# KiCad board V1.1_XT30_version.kicad_pcb (continued)
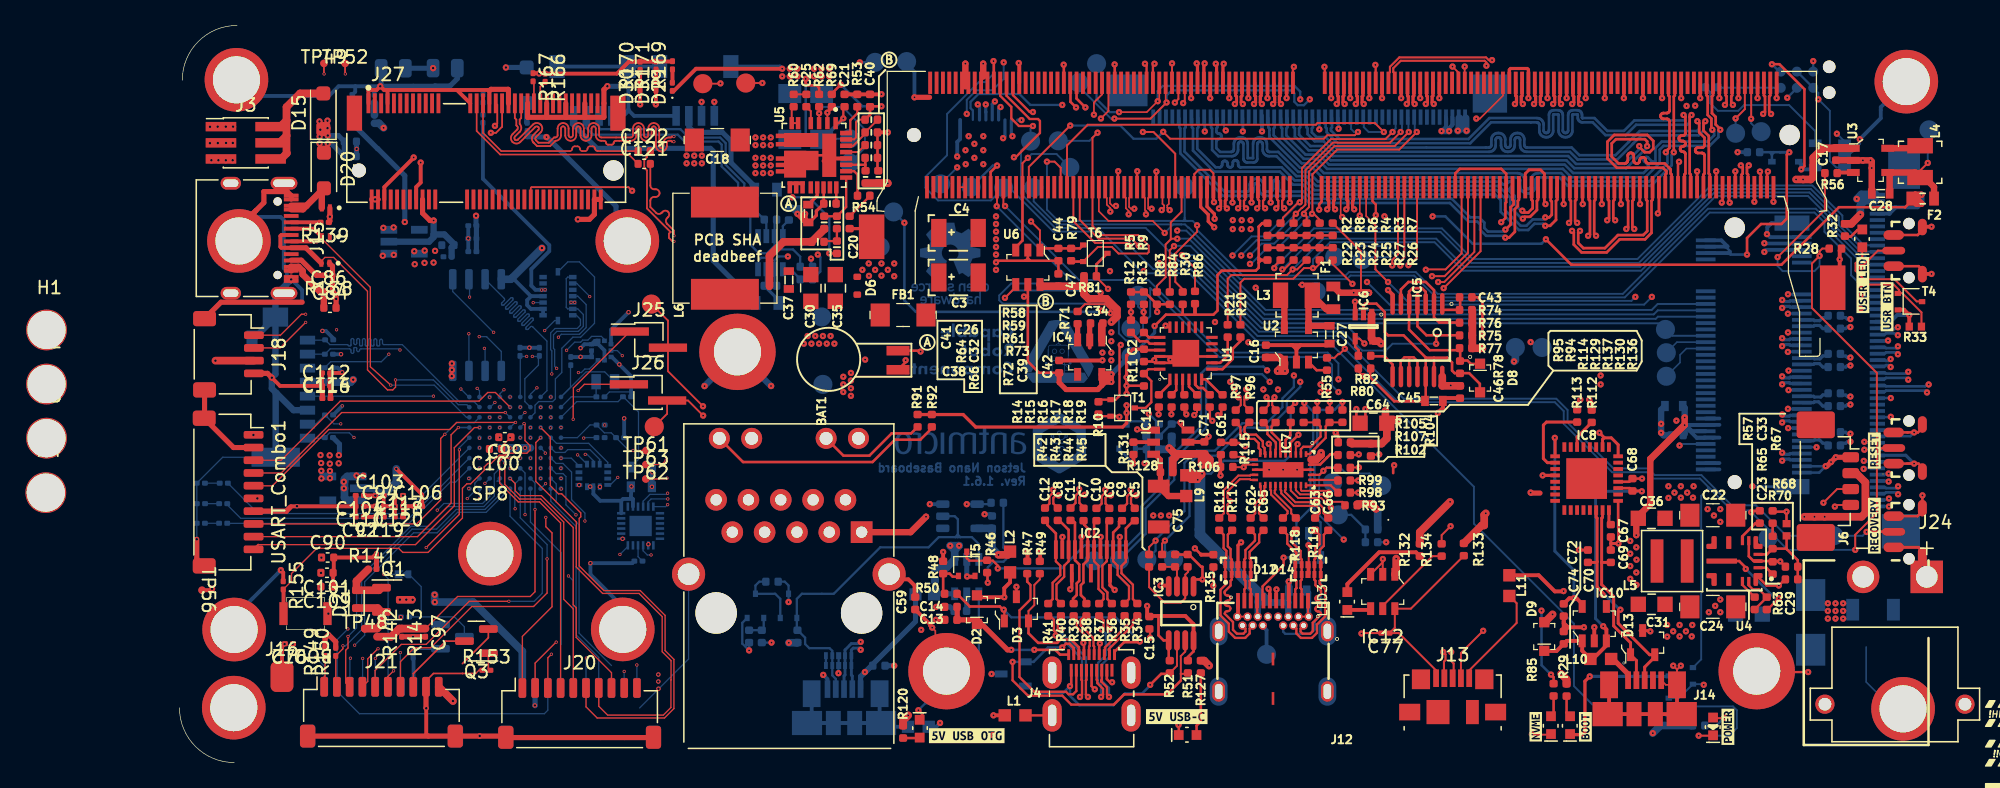
[diagram p0: board, top side]
## Footprints (pads in the part's own frame, mm; a bottom-side part is the same pattern mirrored in y, then rotated) (continued)
SM04B-SRSS-TB-LF-SN
  rect 0.6x1.55 smd: 1(-1.5,0) 2(-0.5,0) 3(0.5,0) 4(1.5,0)
  rect 1.2x1.8 smd: S1(-2.8,-3.875) S2(2.8,-3.875)
SOD-323
  rect 0.8x0.8 smd: A(1.125,0) C(-1.125,0)
SOD-323#2
  rect 0.59x0.45 smd: A(1.055,0) C(-1.055,0)
SOD-523_NP
  rrect 0.5x0.6 smd: 1(-0.701,0) 2(0.699,0)
SOIC-8_5.23x5.23mm_P1.27mm
  rrect 1.6x0.6 smd: 1(-3.6,1.905) 2(-3.6,0.635) 3(-3.6,-0.635) 4(-3.6,-1.905) 5(3.6,-1.905) 6(3.6,-0.635) 7(3.6,0.635) 8(3.6,1.905)
SON-15
  rect 0.3x1.45 smd: 1(-2.75,-0.925) 2(-2.25,-0.925) 3(-1.75,-0.925) 4(-1.25,-0.925) 5(-0.75,-0.925) 6(-0.25,-0.925) 7(0.25,-0.925) 8(0.75,-0.925) 9(1.25,-0.925) 10(1.75,-0.925) 11(2.25,-0.925) 12(2.75,-0.925) 13(1.5,0.925) 14(0,0.925) 15(-1.5,0.925)
SOT23-5
  rect 1x0.6 smd: 1(-1.15,0.95) 2(-1.15,0) 3(-1.15,-0.95) 4(1.15,-0.95) 5(1.15,0.95)
SOT-23
  rrect 1.475x0.6 smd: 1(-0.938,0.95) 2(-0.938,-0.95) 3(0.938,0)
SOT-23-5
  rect 0.55x1 smd: 1(-0.95,-1.35) 2(0,-1.35) 3(0.95,-1.35) 4(0.95,1.35) 5(-0.95,1.35)
SOT-23-6
  rect 0.55x1 smd: 1(-0.95,-1.35) 2(0,-1.35) 3(0.95,-1.35) 4(0.95,1.35) 5(0,1.35) 6(-0.95,1.35)
SOT-23-8
  rect 0.45x1.1 smd: 1(-0.975,-1.3) 2(-0.325,-1.3) 3(0.325,-1.3) 4(0.975,-1.3) 5(0.975,1.3) 6(0.325,1.3) 7(-0.325,1.3) 8(-0.975,1.3)
SOT-23s
  rect 1x0.55 smd: 1(-0.95,0.95) 2(-0.95,-0.95) 3(0.95,0)
SOT-753
  rrect 0.6x1.05 smd: 1(-0.951,-1.35) 2(0,-1.35) 3(0.949,-1.35) 4(0.949,1.351) 5(-0.951,1.351)
STM32H743VIHBGA100C80P10X10_800X800X110N
  round 0.37 smd: A1(-3.6,3.6) A2(-2.8,3.6) A3(-2,3.6) A4(-1.2,3.6) A5(-0.4,3.6) A6(0.4,3.6) A7(1.2,3.6) A8(2,3.6) A9(2.8,3.6) A10(3.6,3.6) B1(-3.6,2.8) B2(-2.8,2.8) B3(-2,2.8) B4(-1.2,2.8) B5(-0.4,2.8) B6(0.4,2.8) B7(1.2,2.8) B8(2,2.8) B9(2.8,2.8) B10(3.6,2.8) C1(-3.6,2) C2(-2.8,2) C3(-2,2) C4(-1.2,2) C5(-0.4,2) C6(0.4,2) C7(1.2,2) C8(2,2) C9(2.8,2) C10(3.6,2) D1(-3.6,1.2) D2(-2.8,1.2) D3(-2,1.2) D4(-1.2,1.2) D5(-0.4,1.2) D6(0.4,1.2) D7(1.2,1.2) D8(2,1.2) D9(2.8,1.2) D10(3.6,1.2) E1(-3.6,0.4) E2(-2.8,0.4) E3(-2,0.4) E4(-1.2,0.4) E5(-0.4,0.4) E6(0.4,0.4) E7(1.2,0.4) E8(2,0.4) E9(2.8,0.4) E10(3.6,0.4) F1(-3.6,-0.4) F2(-2.8,-0.4) F3(-2,-0.4) F4(-1.2,-0.4) F5(-0.4,-0.4) F6(0.4,-0.4) F7(1.2,-0.4) F8(2,-0.4) F9(2.8,-0.4) F10(3.6,-0.4) G1(-3.6,-1.2) G2(-2.8,-1.2) G3(-2,-1.2) G4(-1.2,-1.2) G5(-0.4,-1.2) G6(0.4,-1.2) G7(1.2,-1.2) G8(2,-1.2) G9(2.8,-1.2) G10(3.6,-1.2) H1(-3.6,-2) H2(-2.8,-2) H3(-2,-2) H4(-1.2,-2) H5(-0.4,-2) H6(0.4,-2) H7(1.2,-2) H8(2,-2) H9(2.8,-2) H10(3.6,-2) J1(-3.6,-2.8) J2(-2.8,-2.8) J3(-2,-2.8) J4(-1.2,-2.8) J5(-0.4,-2.8) J6(0.4,-2.8) J7(1.2,-2.8) J8(2,-2.8) J9(2.8,-2.8) J10(3.6,-2.8) K1(-3.6,-3.6) K2(-2.8,-3.6) K3(-2,-3.6) K4(-1.2,-3.6) K5(-0.4,-3.6) K6(0.4,-3.6) K7(1.2,-3.6) K8(2,-3.6) K9(2.8,-3.6) K10(3.6,-3.6)
TC2030
  round 0.991 hole 0.991 unplated: (2.54,-1.014) (2.54,1.014)
  round 0.787 smd: 1(-1.265,-0.638) 2(-1.265,0.638) 3(0,-0.638) 4(0,0.638) 5(1.285,-0.638) 6(1.285,0.638)
TE_2199119-4
  round 1.1 hole 1.1 unplated: (-10,0)
  round 1.6 hole 1.6 unplated: (10,0)
  rect 0.3x1.55 smd: 1(-9.25,5.275) 2(-9,-2.275) 3(-8.75,5.275) 4(-8.5,-2.275) 5(-8.25,5.275) 6(-8,-2.275) 7(-7.75,5.275) 8(-7.5,-2.275) 9(-7.25,5.275) 10(-7,-2.275) 11(-6.75,5.275) 12(-6.5,-2.275) 13(-6.25,5.275) 14(-6,-2.275) 15(-5.75,5.275) 16(-5.5,-2.275) 17(-5.25,5.275) 18(-5,-2.275) 19(-4.75,5.275) 20(-4.5,-2.275) 21(-4.25,5.275) 22(-4,-2.275) 23(-3.75,5.275) 32(-1.5,-2.275) 33(-1.25,5.275) 34(-1,-2.275) 35(-0.75,5.275) 36(-0.5,-2.275) 37(-0.25,5.275) 38(0,-2.275) 39(0.25,5.275) 40(0.5,-2.275) 41(0.75,5.275) 42(1,-2.275) 43(1.25,5.275) 44(1.5,-2.275) 45(1.75,5.275) 46(2,-2.275) 47(2.25,5.275) 48(2.5,-2.275) 49(2.75,5.275) 50(3,-2.275) 51(3.25,5.275) 52(3.5,-2.275) 53(3.75,5.275) 54(4,-2.275) 55(4.25,5.275) 56(4.5,-2.275) 57(4.75,5.275) 58(5,-2.275) 59(5.25,5.275) 60(5.5,-2.275) 61(5.75,5.275) 62(6,-2.275) 63(6.25,5.275) 64(6.5,-2.275) 65(6.75,5.275) 66(7,-2.275) 67(7.25,5.275) 68(7.5,-2.275) 69(7.75,5.275) 70(8,-2.275) 71(8.25,5.275) 72(8.5,-2.275) 73(8.75,5.275) 74(9,-2.275) 75(9.25,5.275)
  rect 1.2x2.75 smd: SH1(-10.35,4.5) SH2(10.35,4.5)
TF-SMD_TF-021B-H265
  rect 0.7x1.2 smd: 1(-4.08,-2.92) 2(-2.98,-2.92) 3(-1.88,-2.92) 4(-0.78,-2.92) 5(0.32,-2.92) 6(1.42,-2.92) 7(2.52,-2.92) 8(3.62,-2.92)
  rect 1.5x2 smd: 9(-5.893,-0.4)
  rect 1.204x0.868 smd: 9(-4.244,1.439)
  rect 1.5x3.8 smd: 9(5.12,-0.42)
TL3340AF160QG
  round 0.9 hole 0.9 unplated: (0,2.125) (0,-2.125)
  oval 1.6x0.75 smd: 1(-1.2,-1.225) 3(-1.2,1.225)
  oval 1.8x0.6 smd: 2(-1.2,0)
  oval 0.7x1.3 smd: SH1(1.05,1.85) SH2(1.05,-1.85)
TP-R-1.5
  round 1.5 smd: 1(0,0)
TPD4E05U06_PASS
  rect 0.3x0.55 smd: 1(-1,0.385) 1(-1,-0.385) 2(-0.5,0.385) 2(-0.5,-0.385) 4(0.5,0.385) 4(0.5,-0.385) 5(1,0.385) 5(1,-0.385)
  rect 0.4x0.55 smd: 3(0,-0.385) 8(0,0.385)
TSSOP-14
  oval 1.7x0.35 smd: 1(-2.85,1.95) 2(-2.85,1.3) 3(-2.85,0.65) 4(-2.85,0) 5(-2.85,-0.65) 6(-2.85,-1.3) 7(-2.85,-1.95) 8(2.85,-1.95) 9(2.85,-1.3) 10(2.85,-0.65) 11(2.85,0) 12(2.85,0.65) 13(2.85,1.3) 14(2.85,1.95)
USB_C_Small
  round 0.65 hole 0.65 unplated: (-2.89,2.605) (2.89,2.605)
  rect 0.3x1.15 smd: A1(-3.35,3.67) A4(-2.55,3.67) A5(-1.25,3.67) A6(-0.25,3.67) A7(0.25,3.67) A8(1.25,3.67) A9(2.55,3.67) A12(3.35,3.67) B1(3.05,3.67) B4(2.25,3.67) B5(1.75,3.67) B6(0.75,3.67) B7(-0.75,3.67) B8(-1.75,3.67) B9(-2.25,3.67) B12(-3.05,3.67)
  oval 1x2.1 hole 0.6x1.7: S1(-4.32,3.105) S1(4.32,3.105)
  oval 1x1.6 hole 0.6x1.2: S1(-4.32,-1.075) S1(4.32,-1.075)
USB_Micro-B_Molex_47346-0001
  rect 0.45x1.38 smd: 1(-1.3,1.46) 2(-0.65,1.46) 3(0,1.46) 4(0.65,1.46) 5(1.3,1.46)
  rect 1.65x1.3 smd: 6(-3.375,-1.2) 6(3.375,-1.2)
  rect 1.425x1.55 smd: 6(-2.487,1.375) 6(2.487,1.375)
  rect 1.8x1.9 smd: 6(-1.15,-1.2)
  rect 1x1.9 smd: 6(1.55,-1.2)
VQFN-14-HR
  custom 0.71x1.01 smd: 1(-1.8,1.2) 5(-1.8,-1.2)
  rrect 0.7x0.25 smd: 2(-1.85,0.525) 4(-1.85,-0.525)
  rrect 0.7x0.3 smd: 3(-1.85,0)
  rrect 0.25x0.7 smd: 6(-1.125,-1.6) 7(-0.625,-1.6) 13(-0.625,1.6) 14(-1.125,1.6)
  rrect 0.4x1 smd: 8(0.45,-1.45) 12(0.45,1.45)
  custom 0.81x1.01 smd: 9(1.55,-1.15) 11(1.55,1.15)
  rrect 2.4x0.4 smd: 10(1,0)
WE_68715014022
  rect 0.3x1.2 smd: 1(-12.89,-0.66) 2(-12.39,-0.66) 3(-11.89,-0.66) 4(-11.39,-0.66) 5(-10.89,-0.66) 6(-10.39,-0.66) 7(-9.89,-0.66) 8(-9.39,-0.66) 9(-8.89,-0.66) 10(-8.39,-0.66) 11(-7.89,-0.66) 12(-7.39,-0.66) 13(-6.89,-0.66) 14(-6.39,-0.66) 15(-5.89,-0.66) 16(-5.39,-0.66) 17(-4.89,-0.66) 18(-4.39,-0.66) 19(-3.89,-0.66) 20(-3.39,-0.66) 21(-2.89,-0.66) 22(-2.39,-0.66) 23(-1.89,-0.66) 24(-1.39,-0.66) 25(-0.89,-0.66) 26(-0.39,-0.66) 27(0.11,-0.66) 28(0.61,-0.66) 29(1.11,-0.66) 30(1.61,-0.66) 31(2.11,-0.66) 32(2.61,-0.66) 33(3.11,-0.66) 34(3.61,-0.66) 35(4.11,-0.66) 36(4.61,-0.66) 37(5.11,-0.66) 38(5.61,-0.66) 39(6.11,-0.66) 40(6.61,-0.66) 41(7.11,-0.66) 42(7.61,-0.66) 43(8.11,-0.66) 44(8.61,-0.66) 45(9.11,-0.66) 46(9.61,-0.66) 47(10.11,-0.66) 48(10.61,-0.66) 49(11.11,-0.66) 50(11.61,-0.66)
  rect 2.7x3 smd: ~(-14.84,1.19)
  rect 3x2.5 smd: ~(13.56,1.44)
WE_68715014522_ONE-SIDE
  rect 0.3x1.2 smd: 1(-12.25,-0.6) 2(-11.75,-0.6) 3(-11.25,-0.6) 4(-10.75,-0.6) 5(-10.25,-0.6) 6(-9.75,-0.6) 7(-9.25,-0.6) 8(-8.75,-0.6) 9(-8.25,-0.6) 10(-7.75,-0.6) 11(-7.25,-0.6) 12(-6.75,-0.6) 13(-6.25,-0.6) 14(-5.75,-0.6) 15(-5.25,-0.6) 16(-4.75,-0.6) 17(-4.25,-0.6) 18(-3.75,-0.6) 19(-3.25,-0.6) 20(-2.75,-0.6) 21(-2.25,-0.6) 22(-1.75,-0.6) 23(-1.25,-0.6) 24(-0.75,-0.6) 25(-0.25,-0.6) 26(0.25,-0.6) 27(0.75,-0.6) 28(1.25,-0.6) 29(1.75,-0.6) 30(2.25,-0.6) 31(2.75,-0.6) 32(3.25,-0.6) 33(3.75,-0.6) 34(4.25,-0.6) 35(4.75,-0.6) 36(5.25,-0.6) 37(5.75,-0.6) 38(6.25,-0.6) 39(6.75,-0.6) 40(7.25,-0.6) 41(7.75,-0.6) 42(8.25,-0.6) 43(8.75,-0.6) 44(9.25,-0.6) 45(9.75,-0.6) 46(10.25,-0.6) 47(10.75,-0.6) 48(11.25,-0.6) 49(11.75,-0.6) 50(12.25,-0.6)
  rect 3x2.5 smd: ~(-14.2,-2.7)
  rect 2.7x3 smd: ~(14.2,-2.45)
WE_632723300011
  rect 0.2x1 smd: (0,1.055) (0,-2.045)
  rect 0.3x1.2 smd: A1(-2.75,5.635) A2(-2.25,5.635) A3(-1.75,5.635) A4(-1.25,5.635) A5(-0.75,5.635) A6(-0.25,5.635) A7(0.25,5.635) A8(0.75,5.635) A9(1.25,5.635) A10(1.75,5.635) A11(2.25,5.635) A12(2.75,5.635)
  round 0.65 hole 0.4: B1(2.8,4.385) B2(2.4,3.685) B3(1.6,3.685) B4(1.2,4.385) B5(0.8,3.685) B6(0.4,4.385) B7(-0.4,4.385) B8(-0.8,3.685) B9(-1.2,4.385) B10(-1.6,3.685) B11(-2.4,3.685) B12(-2.8,4.385) Shell(-2,4.385) Shell(2,4.385)
  oval 1x1.6 hole 0.6x1.2: Shell(-4.27,3.235) Shell(-4.27,-1.495) Shell(4.27,3.235) Shell(4.27,-1.495)
  oval 1.4x2.24 smd far side: Shell(-4.27,3.235) Shell(-4.27,-1.495) Shell(4.27,3.235) Shell(4.27,-1.495)
XFL4015-122MEC
  rect 1x3.4 smd: 1(-1.185,0) 2(1.185,0)

## Nets
1V8_DBG: C72.2 IC8.1 IC10.5
1V8_SYS: C42.1 C44.2 IC4.5 R2.2 R22.2 R30.1 R46.1 R79.1 R86.2 R111.1 T6.1 TP37.1 U6.1 U6.5
3V3_FFC1: F1.2 J1.47 J1.48 R7.2
3V3_FFC2: F2.1 J2.47 J2.48 R26.2
3V3_SYS: C1.2 C2.1 C31.1 C33.1 C36.1 C48.2 C57.2 C58.2 C61.1 D1.A D5.2 F4.1 F5.1 IC3.1 IC7.8 J7.2 J7.4 J7.12 J7.14 J7.16 J7.18 J7.70 J7.72 J7.74 J27.2 J27.4 J27.72 J27.74 L5.1 R5.1 R9.1 R11.1 R44.1 R45.1 R67.1 R70.1 R83.2 R84.2 R85.2 R91.2 R92.1 R115.2 R166.1 R167.1 R169.2 R170.2 R171.2 U1.21 U4.1 U7.3
5V0_DBG: C68.2 C74.2 D9.C IC8.19 IC10.1 IC10.3 L10.2
5V0_SYS: C16.1 C17.1 C30.1 C34.1 C35.1 C37.1 C38.1 C39.2 C46.2 C47.2 C60.2 C64.2 C71.1 C76.1 D6.2 D9.A D24.2 FB1.1 IC4.1 IC5.14 IC6.1 IC6.5 IC7.30 IC9.1 IC11.1 IC12.1 J1.49 J1.50 J2.49 J2.50 J3.1 J3.3 J3.5 J6.2 J17.1 J18.3 J20.10 J21.10 L2.1 L6.2 R29.2 R31.2 R32.2 R64.1 R72.1 R74.2 R75.2 R76.1 R77.1 R81.2 R93.2 R100.2 R104.1 R105.1 R108.2 R120.2 R121.2 R122.1 R125.2 R127.2 R128.1 R132.2 R133.1 TP36.1 TP41.1 TP56.1 U2.1 U3.1 U6.6 U8.5 USART_Combo1.1 USART_Combo1.6
/NextPx4/VBUS: C84.1 C86.1 D16.2 D20.2 J15.A4 J15.A9 J15.B4 J15.B9
/Supply/3V3_EN: R57.1 U4.7
/Supply/3V3_FB: R65.2 R67.2 R68.1 R70.2 U4.4
/Supply/3V3_R_C_BOOT: C29.2 R63.2 U4.14
/Supply/3V3_SW: C29.1 L5.2 U4.10
/Supply/3V3_VCC: C23.1 U4.2
/Supply/3V3_VIN: C22.1 C24.1 FB3.2 U4.8 U4.12
/Supply/5V_BOOT: C25.1 U5.4
/Supply/5V_COMP: R54.1 U5.21
/Supply/5V_EN: R62.1 TP32.1 U5.3
/Supply/5V_FB: R72.2 R73.1 U5.22
/Supply/5V_FSW: R61.1 U5.24
/Supply/5V_ILIM: R58.1 R59.1 U5.25
/Supply/5V_MODE: R53.1 U5.27
/Supply/5V_PHASE: R60.2 U5.5 U5.6
/Supply/5V_SNS: C32.1 C38.2 R66.2
/Supply/5V_SS: C26.1 U5.19
/Supply/5V_SW: L6.1 R66.1 U5.12 U5.13 U5.14
/Supply/5V_VIN: C18.1 C19.1 C21.1 FB2.2 R62.2 TP30.1 U5.1 U5.7 U5.8
/Supply/VDD_5V_DCDC: C40.1 R58.2 R69.1 U5.26
GND: BAT1.- C1.1 C2.2 C3.2 C4.2 C13.1 C14.1 C15.1 C16.2 C17.2 C18.2 C19.2 C20.1 C21.2 C22.2 C23.2 C24.2 C26.2 C27.2 C28.2 C30.2 C31.2 C34.2 C35.2 C36.2 C37.2 C39.1 C40.2 C41.2 C42.2 C43.1 C44.1 C45.1 C46.1 C47.1 C48.1 C57.1 C58.1 C59.2 C60.1 C61.2 C64.1 C67.1 C68.1 C69.1 C70.1 C71.2 C72.1 C73.1 C74.1 C75.1 C76.2 C77.2 C78.1 C82.2 C83.2 C84.2 C86.2 C87.2 C88.2 C90.2 C91.2 C92.2 C93.2 C94.2 C95.2 C97.2 C99.1 C100.1 C101.1 C102.2 C103.2 C104.2 C105.2 C106.2 C107.2 C108.2 C109.1 C110.2 C111.2 C112.1 C113.2 C114.1 C115.2 C116.2 C117.1 C118.2 C119.1 C120.2 D3.3 D4.3 D5.1 D6.1 D7.2 D10.3 D10.8 D11.3 D12.3 D12.8 D13.3 D14.3 D14.8 D16.1 D17.1 D19.1 D29.1 H1.1 H2.1 H3.1 H4.1 IC1.2 IC2.2 IC2.5 IC2.8 IC2.11 IC3.4 IC4.2 IC5.7 IC6.3 IC7.13 IC7.28 IC7.31 IC8.4 IC8.17 IC8.20 IC8.24 IC8.26 IC9.2 IC10.2 IC11.2 IC12.2 IC12.3 J1.9 J1.12 J1.15 J1.18 J1.27 J1.30 J2.9 J2.12 J2.15 J2.18 J2.27 J2.30 J6.1 J7.1 J7.3 J7.9 J7.15 J7.21 J7.27 J7.33 J7.39 J7.45 J7.51 J7.57 J7.71 J7.73 J7.75 J7.SH1 J7.SH2 J8.4 J8.S1 J8.S2 J9.1 J9.S1 J9.S2 J10.1 J11.5 J12.A1 J12.A12 J12.B1 J12.B12 J12.Shell J13.4 J14.5 J14.S J15.A1 J15.A12 J15.B1 J15.B12 J15.S1 J16.1 J17.2 J17.MP J18.4 J18.MP J19.9 J19.MP J20.9 J20.MP J21.9 J21.MP J23.6 J23.9 J24.N J27.1 J27.7 J27.18 J27.33 J27.39 J27.45 J27.51 J27.57 J27.63 J27.69 J27.75 L1.1 L8.1 L11.1 M1.1 M1.2 M1.7 M1.8 M1.13 M1.14 M1.19 M1.20 M1.25 M1.26 M1.31 M1.32 M1.37 M1.38 M1.43 M1.44 M1.49 M1.50 M1.55 M1.56 M1.61 M1.62 M1.67 M1.68 M1.73 M1.74 M1.79 M1.80 M1.85 M1.86 M1.102 M1.107 M1.113 M1.119 M1.125 M1.129 M1.132 M1.135 M1.138 M1.141 M1.144 M1.146 M1.147 M1.152 M1.153 M1.158 M1.159 M1.164 M1.165 M1.170 M1.171 M1.176 M1.177 M1.200 M1.201 M1.217 M1.231 M1.241 M1.242 M1.243 M1.244 M1.245 M1.246 M1.247 M1.248 M1.249 M1.250 M1.261 M1.262 Q2.2 Q3.2 R10.1 R28.2 R33.2 R47.1 R48.2 R49.2 R53.2 R59.2 R61.2 R68.2 R73.2 R89.1 R101.1 R106.1 R107.1 R109.2 R124.2 R126.1 R131.2 R134.2 R135.1 R138.1 R139.1 R140.2 R141.2 R143.2 R144.1 R145.1 R146.1 R153.1 R155.1 R156.2 R157.2 R158.2 REC1.1 REC1.3 REC1.SH1 REC1.SH2 RST1.1 RST1.3 RST1.SH1 RST1.SH2 SP1.1 SP3.1 SP4.1 SP5.1 SP6.1 SP7.1 SP8.1 SP9.1 SP10.1 SP11.1 SP12.1 T1.2 T2.2 T3.2 T4.2 T5.2 T8.2 T9.2 TP1.5 TP31.1 TP38.1 TP40.1 U1.9 U1.18 U1.22 U1.23 U1.25 U2.2 U3.2 U4.3 U4.6 U4.9 U4.11 U5.9 U5.10 U5.11 U5.17 U5.23 U5.28 U6.2 U7.2 U8.3 U10.2 U11.2 U22.C2 U22.E4 U22.E5 U22.E6 U22.G1 U22.J1 U24.6 U24.7 U24.11 U25.4 U25.6 U25.7 U26.18 U26.20 U27.3 U27.5 U27.8 U27.9 U28.4 USART_Combo1.2 USART_Combo1.7 USART_Combo1.MP USR1.1 USR1.3 USR1.SH1 USR1.SH2 Y1.2
VCC_24V: D21.1 Q1.2 R142.1 TP48.1
VDD_MOD: C3.1 C4.1 FB1.2 M1.251 M1.252 M1.253 M1.254 M1.255 M1.256 M1.257 M1.258 M1.259 M1.260 TP22.1
VIN: C87.1 C88.1 D7.1 D18.2 F3.2 FB2.1 FB3.1 J19.10 Q1.3 TP39.1
#PWR_BUTTON: M1.240 TP13.1
#RECOVERY: M1.214 REC1.2 TP21.1
#RESET: M1.239 R28.1 R55.2 R56.2 R57.2 R71.2 RST1.2 T2.1 TP10.1 TP20.1
#SHUTDOWN_REQ: IC5.4 M1.233 R75.1 TP11.1
/CSI/CAM0_SCL: J1.40 R6.2 R15.1
/CSI/CAM0_SDA: J1.39 R8.2 R14.1
/CSI/CAM1_SCL: J1.42 R3.2 R17.1
/CSI/CAM1_SDA: J1.41 R4.2 R16.1
/CSI/CAM2_SCL: J2.42 R19.1 R23.2
/CSI/CAM2_SDA: J2.41 R18.1 R24.2
/CSI/CAM3_SCL: J2.40 R21.1 R25.2
/CSI/CAM3_SDA: J2.39 R20.1 R27.2
/CSI/CAM_I2C_SCL: M1.213 R9.2 R13.2 TP7.1
/CSI/CAM_I2C_SDA: M1.215 R5.2 R12.2 TP6.1
/CSI/CSI_A_CLK_N: J2.28 M1.10
/CSI/CSI_A_CLK_P: J2.29 M1.12
/CSI/CSI_A_D0_N: J2.25 M1.4
/CSI/CSI_A_D0_P: J2.26 M1.6
/CSI/CSI_A_D1_N: J2.23 M1.16
/CSI/CSI_A_D1_P: J2.24 M1.18
/CSI/CSI_B_D0_N: J2.21 M1.3
/CSI/CSI_B_D0_P: J2.22 M1.5
/CSI/CSI_B_D1_N: J2.19 M1.15
/CSI/CSI_B_D1_P: J2.20 M1.17
/CSI/CSI_C_CLK_N: J2.10 M1.52
/CSI/CSI_C_CLK_P: J2.11 M1.54
/CSI/CSI_C_D0_N: J2.7 M1.46
/CSI/CSI_C_D0_P: J2.8 M1.48
/CSI/CSI_C_D1_N: J2.5 M1.58
/CSI/CSI_C_D1_P: J2.6 M1.60
/CSI/CSI_D_D0_N: J2.3 M1.40
/CSI/CSI_D_D0_P: J2.4 M1.42
/CSI/CSI_D_D1_N: J2.1 M1.64
/CSI/CSI_D_D1_P: J2.2 M1.66
/CSI/CSI_E_CLK_N: J1.28 M1.28
/CSI/CSI_E_CLK_P: J1.29 M1.30
/CSI/CSI_E_D0_N: J1.25 M1.22
/CSI/CSI_E_D0_P: J1.26 M1.24
/CSI/CSI_E_D1_N: J1.23 M1.34
/CSI/CSI_E_D1_P: J1.24 M1.36
/CSI/CSI_F_CLK_N: M1.27
/CSI/CSI_F_CLK_P: M1.29
/CSI/CSI_F_D0_N: J1.21 M1.21
/CSI/CSI_F_D0_P: J1.22 M1.23
/CSI/CSI_F_D1_N: J1.19 M1.33
/CSI/CSI_F_D1_P: J1.20 M1.35
/CSI/CSI_G_CLK_N: J1.10 M1.76
/CSI/CSI_G_CLK_P: J1.11 M1.78
/CSI/CSI_G_D0_N: J1.7 M1.70
/CSI/CSI_G_D0_P: J1.8 M1.72
/CSI/CSI_G_D1_N: J1.5 M1.82
/CSI/CSI_G_D1_P: J1.6 M1.84
/Display/TMDS_C1_CLK_N: C12.2 IC2.12 R41.1
/Display/TMDS_C1_CLK_P: C8.2 IC2.10 R40.1
/Display/TMDS_C1_D0_N: C11.2 IC2.9 R39.1
/Display/TMDS_C1_D0_P: C7.2 IC2.7 R38.1
/Display/TMDS_C1_D1_N: C10.2 IC2.6 R37.1
/Display/TMDS_C1_D1_P: C6.2 IC2.4 R36.1
/Display/TMDS_C1_D2_N: C9.2 IC2.3 R35.1
/Display/TMDS_C1_D2_P: C5.2 IC2.1 R34.1
/Display/TMDS_CEC: M1.94 TP25.1
/Display/TMDS_CEC_IN: D3.2 J4.15 R49.1
/Display/TMDS_CLK_C_N: J4.14 R41.2
/Display/TMDS_CLK_C_P: J4.12 R40.2
/Display/TMDS_CLK_N: C12.1 M1.81
/Display/TMDS_CLK_P: C8.1 M1.83
/Display/TMDS_D0_C_N: J4.11 R39.2
/Display/TMDS_D0_C_P: J4.9 R38.2
/Display/TMDS_D0_N: C11.1 M1.75
/Display/TMDS_D0_P: C7.1 M1.77
/Display/TMDS_D1_C_N: J4.8 R37.2
/Display/TMDS_D1_C_P: J4.6 R36.2
/Display/TMDS_D1_N: C10.1 M1.69
/Display/TMDS_D1_P: C6.1 M1.71
/Display/TMDS_D2_C_N: J4.5 R35.2
/Display/TMDS_D2_C_P: J4.3 R34.2
/Display/TMDS_D2_N: C9.1 M1.63
/Display/TMDS_D2_P: C5.1 M1.65
/Display/TMDS_HPD_IN: D3.1 J4.1 R50.1
/Display/TMDS_SCL: M1.100 R42.2 TP28.1
/Display/TMDS_SCL_5V0: D4.1 IC3.7 J4.17 R51.2
/Display/TMDS_SDA: M1.98 R43.2 TP29.1
/Display/TMDS_SDA_5V0: D4.2 IC3.6 J4.18 R52.2
/ID Serial/EEPROM_PWR: D1.C IC1.4 TP1.1
/ID Serial/SN_WP: IC1.5 R1.1
/Interfaces/C_PCIE0_TX0_N: C53.1 J7.47
/Interfaces/C_PCIE0_TX0_P: C49.1 J7.49
/Interfaces/C_PCIE0_TX1_N: C54.1 J7.35
/Interfaces/C_PCIE0_TX1_P: C50.1 J7.37
/Interfaces/C_PCIE0_TX2_N: C55.1 J7.23
/Interfaces/C_PCIE0_TX2_P: C51.1 J7.25
/Interfaces/C_PCIE0_TX3_N: C56.1 J7.11
/Interfaces/C_PCIE0_TX3_P: C52.1 J7.13
/Interfaces/CANH: J8.2 R90.2 U7.7
/Interfaces/CANL: J8.3 R90.1 U7.6
/NextPx4/AUX_PC0: R152.2 U22.F1
/NextPx4/AUX_PC13: J20.3 U22.A2
/NextPx4/AUX_PD4: J20.1 U22.D7
/NextPx4/AUX_PH1: J20.2 U22.D1
/NextPx4/BAT_I: J19.7 U22.K4
/NextPx4/BAT_V: C97.1 R142.2 R143.1 U22.J4
/NextPx4/BMI_Accel_CS: U22.C3 U25.14
/NextPx4/BMI_Accel_Data_RDY: U22.C4 U25.16
/NextPx4/BMI_Gryo_CS: U22.B3 U25.5
/NextPx4/BMI_Gyro_Data_RDY: U22.D4 U25.12
/NextPx4/BMP_Data_RDY: U22.A4 U27.7
/NextPx4/Buzzer-: J21.8 Q3.3
/NextPx4/Buzzer_RGB_LED: J21.6 U22.E10
/NextPx4/Extern_I2C_INT_PE15: J21.3 U22.H7
/NextPx4/Extern_IMU_Heater: J21.7 U22.K5
/NextPx4/Extern_SPI_CS_1_PE13: J21.5 U22.K6
/NextPx4/Extern_SPI_CS_2_PE14: J20.5 U22.G7
/NextPx4/Extern_SPI_INT_1_PE10: J20.4 U22.G6
/NextPx4/Extern_SPI_INT_2_PE11: J21.4 U22.H6
/NextPx4/I2C1_SCL: R160.2 U22.B4 U27.2
/NextPx4/I2C1_SDA: R159.2 U22.A5 U27.4
/NextPx4/I2C2_SCL: J21.1 R149.1 U22.J7
/NextPx4/I2C2_SDA: J21.2 R150.1 U22.K7
/NextPx4/ICM_Data_RDY: U22.G3 U24.4
/NextPx4/ICM_~{CS}: U22.F3 U24.12
/NextPx4/LED_BLUE: D27.2 U22.G10
/NextPx4/LED_GREEN: D28.2 U22.H10
/NextPx4/LED_RED: D26.2 U22.F10
/NextPx4/MPU_Data_RDY: U22.H4 U26.12
/NextPx4/MPU_~{CS}: U22.G4 U26.22
/NextPx4/NRST: C105.1 R154.2 TP61.1 U22.E1
/NextPx4/PWM/DSHOT_CH1: J19.1 U22.G2
/NextPx4/PWM/DSHOT_CH2: J19.2 U22.H2
/NextPx4/PWM/DSHOT_CH3: J19.3 U22.J2
/NextPx4/PWM/DSHOT_CH4: J19.4 U22.K2
/NextPx4/PWM/DSHOT_CH5: J19.5 U22.H8
/NextPx4/PWM/DSHOT_CH6: J19.6 U22.G8
/NextPx4/QSPI_BK1_IO0: U22.G9 U28.5
/NextPx4/QSPI_BK1_IO1: U22.K10 U28.2
/NextPx4/QSPI_BK1_IO2: U22.A3 U28.3
/NextPx4/QSPI_BK1_IO3: U22.J10 U28.7
/NextPx4/QSPI_BK1_~{CS}: U22.B5 U28.1
/NextPx4/QSPI_CLK: U22.G5 U28.6
/NextPx4/SBUS: J17.3 R148.2
/NextPx4/SCLK: TP63.1 U22.A9
/NextPx4/SDMMC1_CK: J23.5 U22.C8
/NextPx4/SDMMC1_CMD: J23.3 R163.1 U22.B7
/NextPx4/SDMMC1_D0: J23.7 R164.1 U22.F9
/NextPx4/SDMMC1_D1: J23.8 R165.1 U22.E9
/NextPx4/SDMMC1_D2: J23.1 R161.1 U22.B9
/NextPx4/SDMMC1_D3: J23.2 R162.1 U22.B8
/NextPx4/SPI1_MISO: U22.J3 U26.9
/NextPx4/SPI1_MOSI: U22.K3 U26.24
/NextPx4/SPI1_SCK: U22.H3 U26.23
/NextPx4/SPI2_MISO: U22.E2 U24.1
/NextPx4/SPI2_MOSI: U22.F2 U24.14
/NextPx4/SPI2_SCK: U22.C7 U24.13
/NextPx4/SPI3_MISO: U22.A6 U25.10 U25.15
/NextPx4/SPI3_MOSI: U22.C5 U25.9
/NextPx4/SPI3_SCK: U22.A7 U25.8
/NextPx4/SPI4_MISO: J20.6 U22.D3
/NextPx4/SPI4_MOSI: J20.7 U22.E3
/NextPx4/SPI4_SCK: J20.8 U22.J6
/NextPx4/SWDIO: TP62.1 U22.A10
/NextPx4/UART4_RX: J18.2 J26.1 U22.D8
/NextPx4/UART4_TX: J18.1 J25.1 U22.E8
/NextPx4/UART5_RX: J17.5 U22.K8 U23.2
/NextPx4/UART5_TX: J17.4 U22.J8
/NextPx4/UART7_RX: J17.7 U22.H5
/NextPx4/UART7_TX: J17.6 U22.J5
/NextPx4/USART1_CK: U22.D9 USART_Combo1.10
/NextPx4/USART1_RX: U22.D10 USART_Combo1.9
/NextPx4/USART1_TX: U22.C9 USART_Combo1.8
/NextPx4/USART2_CK: U22.D6 USART_Combo1.5
/NextPx4/USART2_RX: U22.C6 USART_Combo1.4
/NextPx4/USART2_TX: U22.B6 USART_Combo1.3
/NextPx4/USART3_CK: J17.10 U22.H9
/NextPx4/USART3_RX: J17.9 J19.8 U22.J9
/NextPx4/USART3_TX: J17.8 U22.K9
/NextPx4/USB_OTG_FS_DM: D17.2 J15.A7 J15.B7 U22.C10
/NextPx4/USB_OTG_FS_DP: D19.2 J15.A6 J15.B6 U22.B10
/SoM/BT_M2_EN: M1.126
/SoM/BT_M2_WAKE_AP: M1.124
/SoM/PMIC_BBAT: BAT1.+ M1.235
/Supply/\~{PWR_SET}: C43.2 IC5.1 R74.1
/Supply/FAN_PMW_5V: J6.4 U6.4
/Supply/FAN_TACH_5V: J6.3 R81.1 T6.3
/Supply/Q: D8.C IC5.3 IC5.5 R77.2 R78.1
/Supply/QDEL: C45.2 D8.A IC5.12 IC5.13 IC6.2 R78.2 R80.2
/Supply/VDRV_5V_DCDC: C41.1 U5.16
/USB/C_CC1: D11.2 J12.A5 R129.2 R130.2
/USB/C_CC2: D11.1 J12.B5 R136.1 R137.1
/USB/C_USBSS_RX1_N: D12.1 J12.B10 R116.2
/USB/C_USBSS_RX1_P: D12.2 J12.B11 R117.2
/USB/C_USBSS_RX2_N: D14.5 J12.A10 R118.2
/USB/C_USBSS_RX2_P: D14.4 J12.A11 R119.2
/USB/C_USBSS_RX6_N: IC7.10 R97.2
/USB/C_USBSS_RX6_P: IC7.9 R96.2
/USB/C_USBSS_TX1_N: C65.1 D12.5 J12.A3
/USB/C_USBSS_TX1_P: C62.1 D12.4 J12.A2
/USB/C_USBSS_TX2_N: C66.1 D14.1 J12.B3
/USB/C_USBSS_TX2_P: C63.1 D14.2 J12.B2
/USB/C_USBSS_TX6_N: IC7.7 R95.2
/USB/C_USBSS_TX6_P: IC7.6 R94.2
/USB/CC1: IC7.2 R129.1 R137.2
/USB/CC2: IC7.1 R130.1 R136.2
/USB/DBG_USB_D_N: C69.2 D13.1 IC8.15 J14.2
/USB/DBG_USB_D_P: C70.2 D13.2 IC8.14 J14.3
/USB/EN_MUX: IC7.12 R102.1 R106.2
/USB/OTG_USB_ID: D10.4 IC9.3 J11.4 R108.1 T7.1 U8.2
/USB/OTG_USB_VBUS: C73.2 J11.1 L7.2 R110.1
/USB/USB2_VBUS: C77.1 IC12.6 J13.1 R133.2
/USB/USB_DBG_VBUS: J14.1 L10.1
/USB/USBC_ADDR: IC7.22 R100.1 R101.2 TP44.1
/USB/USBC_FAULT: IC7.24 TP46.1
/USB/USBC_ID: IC7.27 R102.2 R121.1 R123.1 T9.1 TP45.1
/USB/USBC_INTN: IC7.23 R93.1
/USB/USBC_SCL: IC7.26 R99.2
/USB/USBC_SDA: IC7.25 R98.2
/USB/USBC_VBUS: C78.2 J12.A4 J12.A9 J12.B4 J12.B9 L9.2 R114.2 R135.2
/USB/USBSS_RX1_N: IC7.14 R116.1
/USB/USBSS_RX1_P: IC7.15 R117.1
/USB/USBSS_RX2_N: IC7.18 R118.1
/USB/USBSS_RX2_P: IC7.19 R119.1
/USB/USBSS_TX1_N: C65.2 IC7.17
/USB/USBSS_TX1_P: C62.2 IC7.16
/USB/USBSS_TX2_N: C66.2 IC7.21
/USB/USBSS_TX2_P: C63.2 IC7.20
/USB/~{OTG_USB_FAULT}: IC9.4 LED1.2
/USB/~{USB2_FAULT}: IC12.4 LED3.2
/Wifi Module/LED 1: D30.1 J27.6
/Wifi Module/LED 2: D31.1 J27.16
/Wifi Module/WAKE: J27.55 R166.2
\PEWAKE_3V3: J7.54 M1.179
CAN_RXD: M1.143 R88.2
CAN_TXD: M1.145 R87.2
Core_3V3: BOOT2.1 C90.1 C92.1 C94.1 C101.2 C103.1 C104.1 C106.1 C109.2 C110.1 C112.2 C114.2 C116.1 C117.2 C118.1 C119.2 C120.1 D22.2 R149.2 R150.2 R151.1 R154.1 R159.1 R160.1 R161.2 R162.2 R163.2 R164.2 R165.2 TP49.1 U10.5 U22.A8 U22.B2 U22.D2 U22.F4 U22.F5 U22.F6 U22.F7 U22.H1 U22.K1 U24.5 U24.8 U25.3 U25.11 U26.8 U26.13 U27.1 U27.6 U27.10 Y1.1 Y1.4
EGND: C59.1 J10.S SP2.1
ENET_LED0: J10.13 M1.194
ENET_LED1: J10.11 M1.188
ENET_TRD0_N: J10.3 M1.184
ENET_TRD0_P: J10.2 M1.186
ENET_TRD1_N: J10.5 M1.190
ENET_TRD1_P: J10.4 M1.192
ENET_TRD2_N: J10.8 M1.196
ENET_TRD2_P: J10.7 M1.198
ENET_TRD3_N: J10.10 M1.202
ENET_TRD3_P: J10.9 M1.204
FAN_PWM: M1.230 TP8.1 U6.3
FAN_TACH: M1.208 R79.2 T6.2 TP9.1
GEN0_SCL: IC1.1 M1.185 R98.1 TP1.4 TP14.1
GEN0_SDA: IC1.3 M1.187 R99.1 TP1.3 TP1.6 TP15.1
HDMI_PWR: C15.2 D2.A IC2.13 IC2.15 IC3.5 IC3.8 L2.2 R51.1 R52.1
HDMI_SHIELD: J4.4 J4.7 J4.10 J4.13 J4.SH L1.2
I2C1_SCL: J9.4 M1.189
I2C1_SDA: J9.3 M1.191
I2C_MUX_RESET: M1.127 R10.2 T1.1
M2_ALERT: J7.44 M1.212 R86.1 TP23.1
OTG_USB_D_N: D10.1 J11.2 M1.109
OTG_USB_D_P: D10.2 J11.3 M1.111
PCIE0_CLK_N: J7.53 M1.160
PCIE0_CLK_P: J7.55 M1.162
PCIE0_RX0_N: J7.41 M1.131
PCIE0_RX0_P: J7.43 M1.133
PCIE0_RX1_N: J7.29 M1.137
PCIE0_RX1_P: J7.31 M1.139
PCIE0_RX2_N: J7.17 M1.149
PCIE0_RX2_P: J7.19 M1.151
PCIE0_RX3_N: J7.5 M1.155
PCIE0_RX3_P: J7.7 M1.157
PCIE0_TX0_N: C53.2 M1.134
PCIE0_TX0_P: C49.2 M1.136
PCIE0_TX1_N: C54.2 M1.140
PCIE0_TX1_P: C50.2 M1.142
PCIE0_TX2_N: C55.2 M1.148
PCIE0_TX2_P: C51.2 M1.150
PCIE0_TX3_N: C56.2 M1.154
PCIE0_TX3_P: C52.2 M1.156
PCIE1_CLK_N: J27.49 M1.173
PCIE1_CLK_P: J27.47 M1.175
PCIE1_CLKREQ: J27.53 M1.182 R167.2
PCIE1_RST: J27.52 M1.183
PCIE1_RX0_N: J27.43 M1.167
PCIE1_RX0_P: J27.41 M1.169
PCIE1_TX0_N: C122.2 M1.172
PCIE1_TX0_P: C121.2 M1.174
Periph_3V3: C91.1 C93.1 C95.1 C111.1 C113.1 D23.2 J23.4 TP52.1 U11.5 U28.8
PEX_L0_CLKREQ_N: J7.52 M1.180 R83.1
PEX_L0_RST_N: J7.50 M1.181 R84.1
PWR_EN: IC6.4 M1.237 R82.1 TP12.1
PWR_GOOD: R69.2 R80.1 T3.1 TP35.1 U5.2
System_4V5: C82.1 C83.1 D15.1 D20.1 U10.1 U10.3 U11.1 U11.3
TMDS_HPD: M1.96 R46.2 T5.3 TP24.1
UART0_RX: J25.2 M1.205 TP18.1
UART0_TX: J26.2 M1.203 TP16.1
UART1_RX: M1.238 R112.2
UART1_TX: M1.236 R113.2
USB1_D_N: J12.A7 J12.B7 M1.115
USB1_D_P: J12.A6 J12.B6 M1.117
USB2_D_N: J13.2 M1.121
USB2_D_P: J13.3 M1.123
USBSS_RX6_N: M1.161 R97.1
USBSS_RX6_P: M1.163 R96.1
USBSS_TX6_N: M1.166 R95.1
USBSS_TX6_P: M1.168 R94.1
USR_BUTTON: M1.218 R30.2 TP27.1 USR1.2
USR_LED: M1.206 R33.1 T4.1 TP26.1
VSYNC_CAM1_1: J1.32 M1.228
VSYNC_CAM1_2: J1.34 M1.216
VSYNC_CAM2_1: J2.32 M1.114
VSYNC_CAM2_2: J2.34 M1.130
~{OTG_USB_ID_DET}: M1.128 R111.2 U8.4
~{OTG_USB_VBUS_DET}: M1.87 R103.2 T7.3
~{SD_VCC_EN}: M1.211
Net-(BOOT1-A): BOOT1.1 R29.1
Net-(BOOT1-K): BOOT1.2 T2.3
Net-(C20-Pad2): C20.2 R54.2
Net-(C25-Pad2): C25.2 R60.1
Net-(C33-Pad2): C33.2 R65.1
Net-(C99-Pad2): C99.2 U22.E7
Net-(C100-Pad2): C100.2 U22.F8
Net-(D15-A): D15.2 J3.2 J3.4 J3.6
Net-(D18-A1): D18.1 R140.1
Net-(D21-A): D21.2 Q1.1 R141.1
Net-(D22-K): D22.1 R144.2
Net-(D23-K): D23.1 R145.2
Net-(D24-K): D24.1 R146.2
Net-(D26-K): D26.1 R156.1
Net-(D27-K): D27.1 R157.1
Net-(D28-K): D28.1 R158.1
Net-(D29-A): D29.2 R169.1
Net-(D30-A): D30.2 R170.1
Net-(D31-A): D31.2 R171.1
Net-(F3-Pad1): F3.1 J24.P
Net-(F4-Pad2): F4.2 J8.1
Net-(F5-Pad2): F5.2 J9.2
Net-(IC3-SCLA): IC3.2 R42.1 R45.2
Net-(IC3-SDAA): IC3.3 R43.1 R44.2
Net-(IC4-EN): IC4.3 R71.1
Net-(IC5-1B): IC5.2 IC5.6 R76.2
Net-(IC5-3A): IC5.9 IC5.10 IC5.11
Net-(IC5-~{3Y}): IC5.8 R82.2
Net-(IC7-CURRENT_MODE): IC7.3 R104.2
Net-(IC7-DIR): IC7.11 R115.1
Net-(IC7-ENn_CC): IC7.29 R107.2
Net-(IC7-PORT): IC7.4 R105.2
Net-(IC7-VBUS_DET): IC7.5 R114.1
Net-(IC8-3V3OUT): C67.2 IC8.16
Net-(IC8-RXD): IC8.2 R113.1
Net-(IC8-TXD): IC8.30 R112.1
Net-(IC9-ILIM): IC9.5 R124.1
Net-(IC9-OUT): IC9.6 L7.1 R122.2
Net-(IC11-ILIM): IC11.5 R131.1
Net-(IC11-OUT): C75.2 IC11.6 L9.1 R128.2
Net-(IC11-~{EN}): IC11.3 R123.2 R125.1 R126.2 T9.3
Net-(IC11-~{FAULT}): IC11.4 LED2.2
Net-(IC12-ILIM): IC12.5 R134.1
Net-(J4-+5V): C13.2 C14.2 D2.C J4.19
Net-(J4-GND): J4.16 R47.2
Net-(J7-LED): J7.10 NVME1.2
Net-(J7-SMB_CLK): J7.40 TP43.1
Net-(J7-SMB_DATA): J7.42 TP42.1
Net-(J10-Pad12): J10.12 R91.1
Net-(J10-Pad14): J10.14 R92.2
Net-(J11-SHIELD): J11.S L8.2
Net-(J12-SBU2): J12.B8 TP47.1
Net-(J13-Shield): J13.5 L11.2
Net-(J15-CC1): J15.A5 R139.2
Net-(J15-CC2): J15.B5 R138.2
Net-(J27-PETn0): C122.1 J27.37
Net-(J27-PETp0): C121.1 J27.35
Net-(LED1-A): LED1.1 R120.1
Net-(LED2-A): LED2.1 R127.1
Net-(LED3-A): LED3.1 R132.1
Net-(M1B-CAM1_PWDN): M1.120 TP4.1
Net-(M1B-GPIO01): M1.118 TP5.1
Net-(M1C-UART0_RXD): M1.101 TP17.1
Net-(M1C-UART0_TXD): M1.99 TP19.1
Net-(NVME1-A): NVME1.1 R85.1
Net-(PWR1-A): PWR1.1 R31.1
Net-(PWR1-K): PWR1.2 T3.3
Net-(Q2-B): Q2.1 R148.1
Net-(Q2-C): Q2.3 R151.2 U23.1
Net-(Q3-B): Q3.1 R152.1 R153.2
Net-(R2-Pad1): R2.1 R3.1 R4.1 R6.1 R7.1 R8.1
Net-(R22-Pad1): R22.1 R23.1 R24.1 R25.1 R26.1 R27.1
Net-(T1-D): R11.2 T1.3 U1.24
Net-(T4-D): T4.3 USER1.2
Net-(T5-G): R48.1 R50.2 T5.1
Net-(T7-S): R103.1 T7.2 T8.3
Net-(T8-G): R109.1 R110.2 T8.1
Net-(TP1-CTS/TMS): R1.2 TP1.2
Net-(TP2-P): M1.9 TP2.1
Net-(TP3-P): M1.11 TP3.1
Net-(TP33-P): C27.1 F1.1 L3.2 TP33.1 U2.4
Net-(TP34-P): C28.1 F2.2 L4.2 TP34.1 U3.4
Net-(U1-SC0): R15.2 U1.2
Net-(U1-SC1): R17.2 U1.4
Net-(U1-SC2): R19.2 U1.6
Net-(U1-SC3): R21.2 U1.8
Net-(U1-SCL): R13.1 U1.19
Net-(U1-SD0): R14.2 U1.1
Net-(U1-SD1): R16.2 U1.3
Net-(U1-SD2): R18.2 U1.5
Net-(U1-SD3): R20.2 U1.7
Net-(U1-SDA): R12.1 U1.20
Net-(U2-EN): R55.1 U2.3
Net-(U2-SW): L3.1 U2.5
Net-(U3-EN): R56.1 U3.3
Net-(U3-SW): L4.1 U3.5
Net-(U4-RBOOT): R63.1 U4.13
Net-(U5-VOUT): C32.2 R64.2 U5.20
Net-(U7-RH): R89.2 U7.8
Net-(U7-RXD): R88.1 U7.4
Net-(U7-TXD): R87.1 U7.1
Net-(U22A-PC14-OSC32_IN): C107.1 U22.A1 Y2.2
Net-(U22A-PC15-OSC32_OUT): C108.1 U22.B1 Y2.1
Net-(U22B-BOOT0): BOOT2.2 R155.2 U22.D5
Net-(U22B-PH0-OSC_IN): C102.1 U22.C1 Y1.3
Net-(U26-REGOUT): C115.1 U26.10
Net-(USER1-A): R32.1 USER1.1

Pads without a net: D10 5; IC2 14; IC4 4; IC8 3 5 6 7 8 9 10 11 12 13 18 21 22 23 25 27 28 29 31 32 33; IC10 4; J1 1 2 3 4 13 14 16 17 31 33 35 36 37 38 43 44 45 46 ~; J2 13 14 16 17 31 33 35 36 37 38 43 44 45 46 ~; J4 2; J6 MP; J7 6 8 20 22 24 26 28 30 32 34 36 38 46 48 56 58 67 68 69; J10 6; J12 A8; J13 6; J14 4; J15 A8 B8; J24 S1 S2; J27 3 5 8 9 10 11 12 13 14 15 17 19 20 21 22 23 32 34 36 38 40 42 44 46 48 50 54 56 58 59 60 61 62 64 65 66 67 68 70 71 73 SH1 SH2; M1 39 41 45 47 51 53 57 59 88 89 90 91 92 93 95 97 103 104 105 106 108 110 112 116 122 178 193 195 197 199 207 209 210 219 220 221 222 223 224 225 226 227 229 232 234; U1 10 11 12 13 14 15 16 17; U4 5; U5 15 18; U7 5; U8 1; U10 4; U11 4; U24 2 3 9 10; U25 1 2 13; U26 1 2 3 4 5 6 7 11 14 15 16 17 19 21 25

## Via types
v1: diameter 0.5, hole 0.15, Top to Bottom, 770 vias
v2: diameter 0.5, hole 0.2, Top to Bottom, 69 vias
v3: diameter 0.35, hole 0.2, Top to Bottom, 51 vias
v4: diameter 0.25, hole 0.15, Top to Bottom, 147 vias
